# Altium PCB 智能马桶综合检测台V1.0.PcbDoc (part 6 of 10)
Units mil, origin at the board's own origin, x right, y up, seen from the top; angles counter-clockwise.
Board outline 8070.87 x 6102.36 mil, 2 copper layers (Top Layer, Bottom Layer); 199 components, 169 nets, 738 pads, 77 vias.
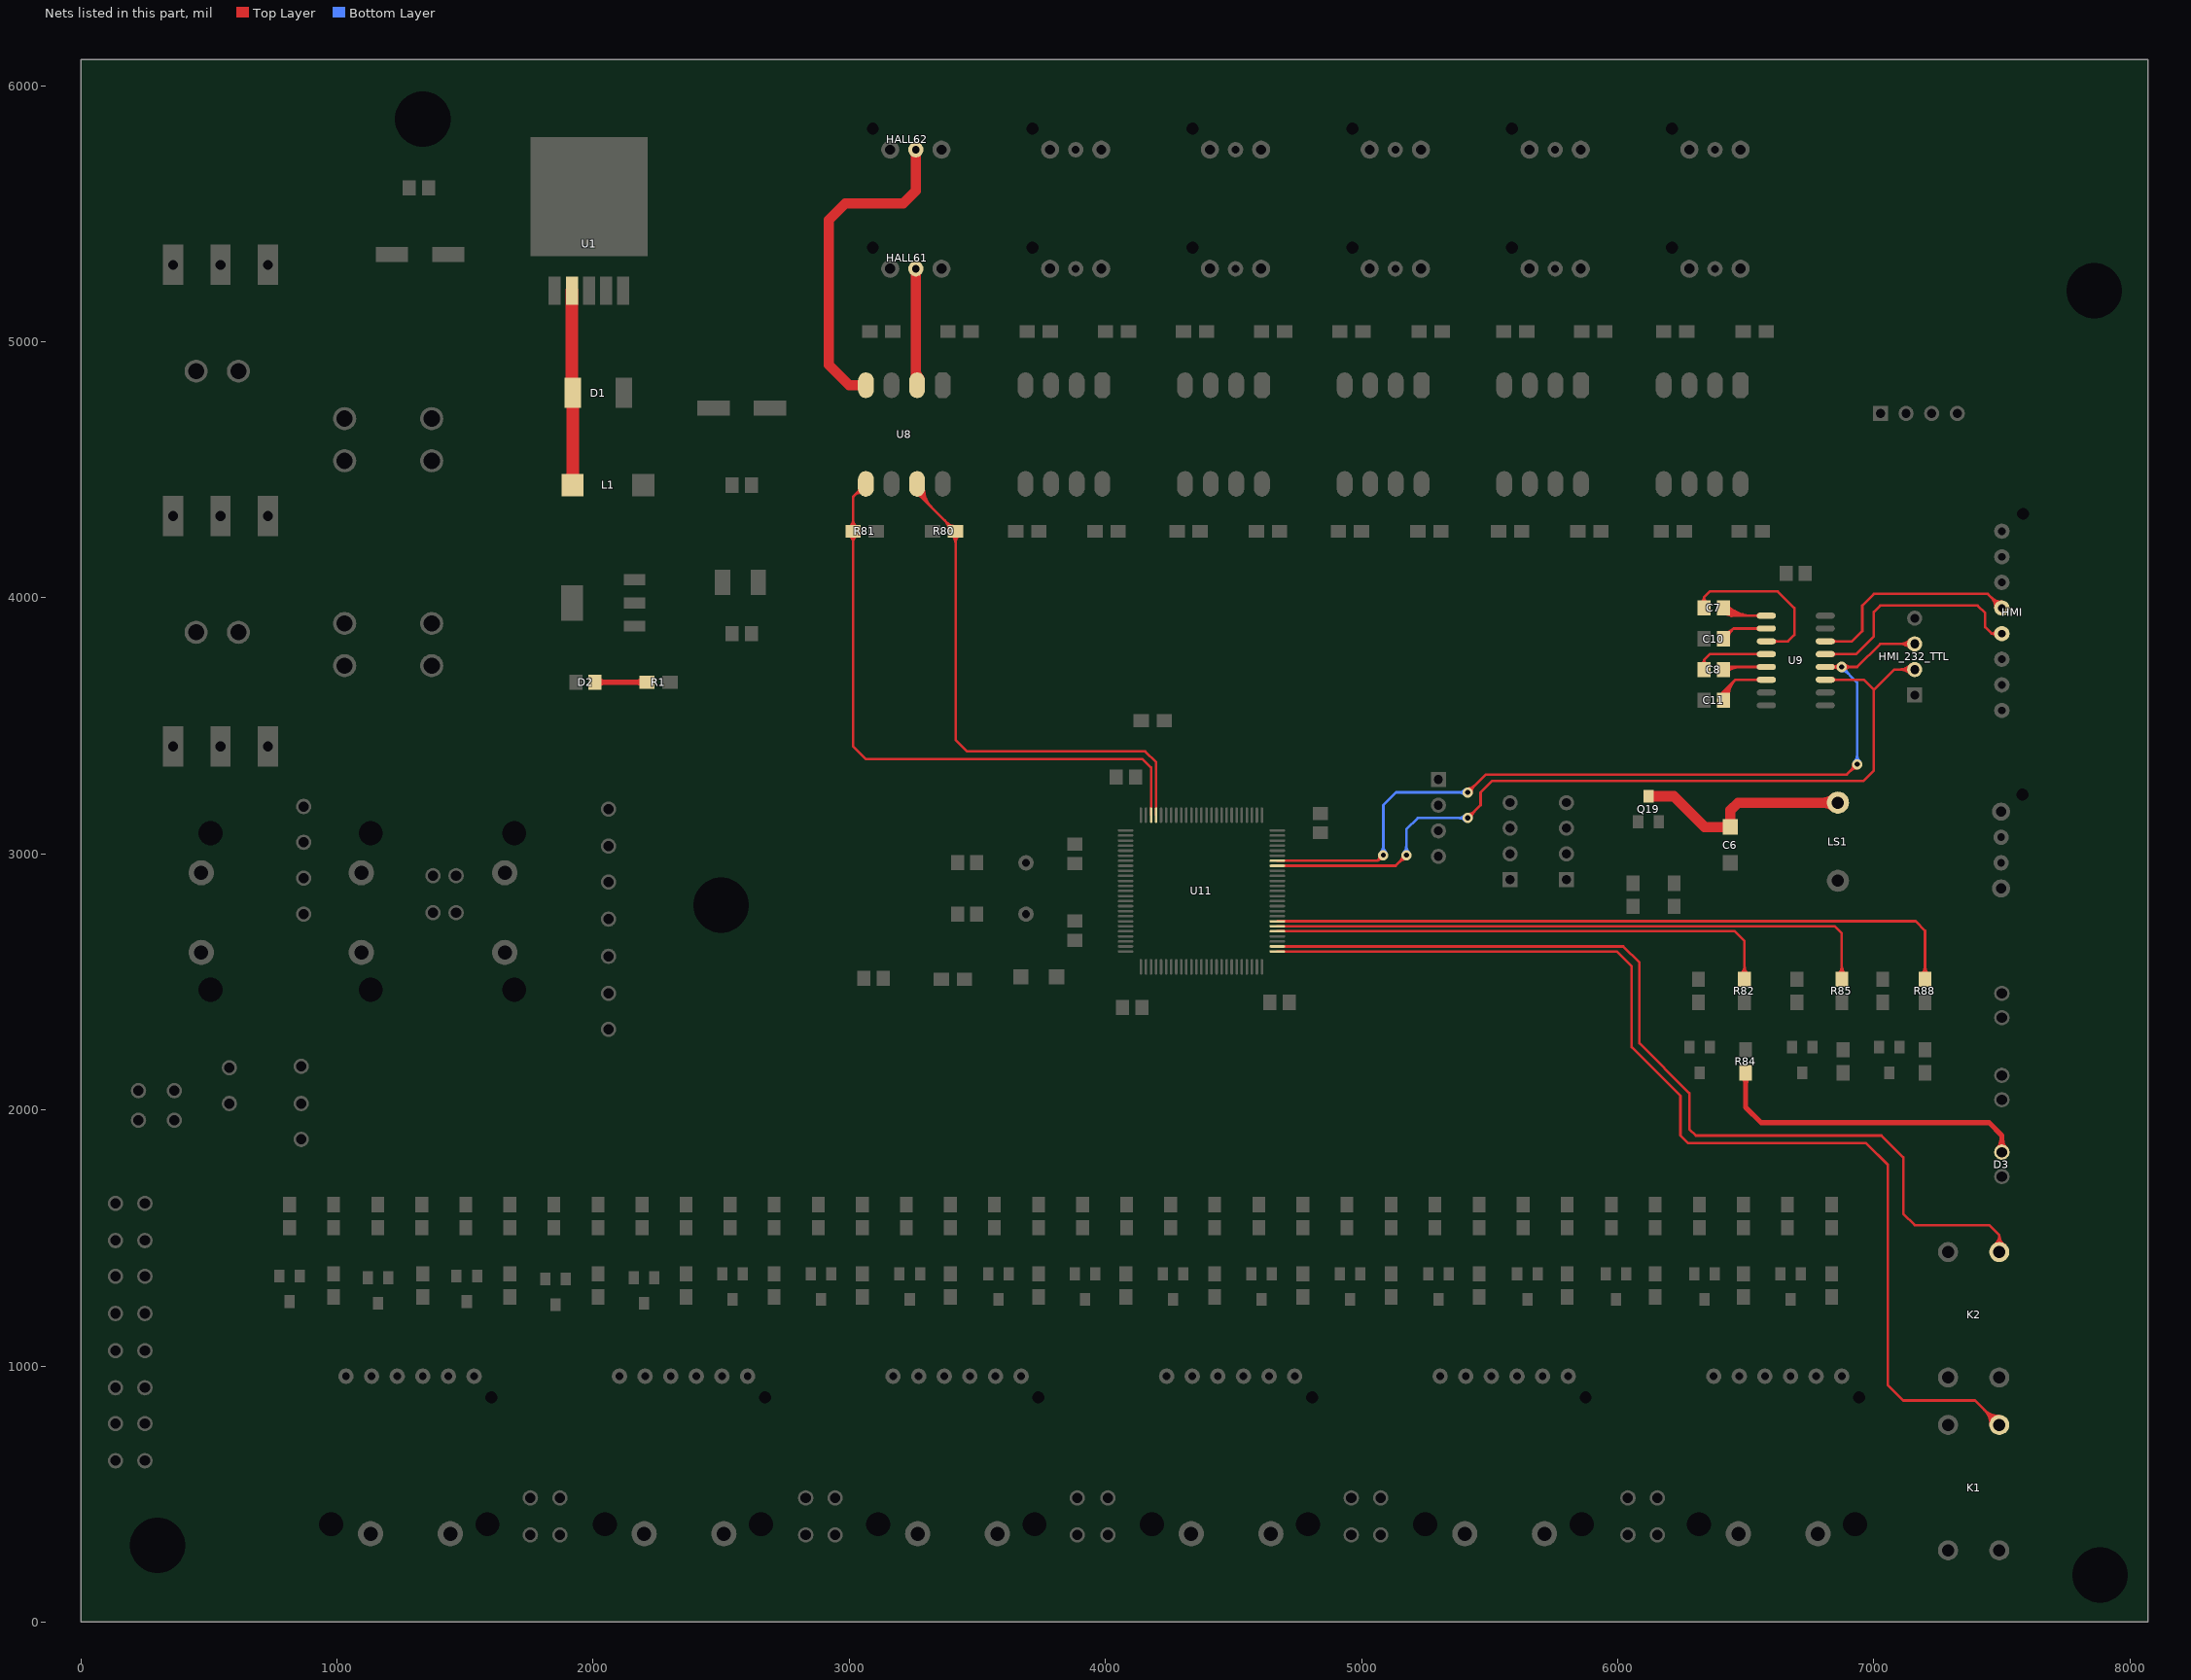
[diagram p6: the nets of this part, all layers, seen from the top]

## Via types
v1: diameter 40, hole 20, Top Layer to Bottom Layer, 68 vias
v2: diameter 50, hole 25, Top Layer to Bottom Layer, 9 vias

## Nets (pads, with @x,y where several pads share a name; then routed paths per layer and width w, separated by ;. In a path a pad name is that pad's centre, name@x,y a point inside that pad or via, vN(x,y) a via of type N, cw(c..) or ccw(c..) an arc to the next point about the centre after c; other vN are vias at no path point) (continued)
HALL_61: R80.2 U8.7 U11.97 | length 4165.4
  Top Layer w10: U8.7@3265,4445 3265,4410 R80.2@3415,4260 3415,3445 3460,3400 4155,3400 4197.83,3357.17 U11.97@4197.83,3151.26 ; U8.7@3265,4400 cw(c3265,4375.86) 3282.07,4392.93 ; U8.7@3265,4400 cw(c3265,4375.86) 3282.07,4392.93 ; U8.7@3265,4400 cw(c3265,4375.86) 3282.07,4392.93 ; U8.7@3265,4400 cw(c3265,4375.86) 3282.07,4392.93 ; U8.7@3265,4400 cw(c3265,4375.86) 3282.07,4392.93 ; U8.7@3265,4400 cw(c3265,4375.86) 3282.07,4392.93 ; U8.7@3271,4426 ccw(c3324.11,4426) 3286.56,4388.44 ; U8.7@3271,4426 ccw(c3324.11,4426) 3286.56,4388.44 ; U8.7@3271,4426 ccw(c3324.11,4426) 3286.56,4388.44 ; U8.7@3271,4426 ccw(c3324.11,4426) 3286.56,4388.44 ; U8.7@3271,4426 ccw(c3324.11,4426) 3286.56,4388.44 ; U8.7@3271,4426 ccw(c3324.11,4426) 3286.56,4388.44 ; U8.7@3281,4426 ccw(c3358.25,4426) 3303.63,4371.37 ; U8.7@3281,4426 ccw(c3358.25,4426) 3303.63,4371.37 ; U8.7@3281,4426 ccw(c3358.25,4426) 3303.63,4371.37 ; U8.7@3281,4426 ccw(c3358.25,4426) 3303.63,4371.37 ; U8.7@3281,4426 ccw(c3358.25,4426) 3303.63,4371.37 ; U8.7@3281,4426 ccw(c3358.25,4426) 3303.63,4371.37 ; U8.7@3291,4426 ccw(c3392.4,4426) 3320.7,4354.3 ; U8.7@3291,4426 ccw(c3392.4,4426) 3320.7,4354.3 ; U8.7@3291,4426 ccw(c3392.4,4426) 3320.7,4354.3 ; U8.7@3291,4426 ccw(c3392.4,4426) 3320.7,4354.3 ; U8.7@3291,4426 ccw(c3392.4,4426) 3320.7,4354.3 ; U8.7@3291,4426 ccw(c3392.4,4426) 3320.7,4354.3 ; 3372.32,4302.68 cw(c3329.64,4260) R80.2@3390,4260 ; 3372.32,4302.68 cw(c3329.64,4260) R80.2@3390,4260 ; 3372.32,4302.68 cw(c3329.64,4260) R80.2@3390,4260 ; 3372.32,4302.68 cw(c3329.64,4260) R80.2@3390,4260 ; 3384.39,4290.61 ccw(c3410,4316.21) R80.2@3410,4280 ; 3384.39,4290.61 ccw(c3410,4316.21) R80.2@3410,4280 ; 3384.39,4290.61 ccw(c3410,4316.21) R80.2@3410,4280 ; 3384.39,4290.61 ccw(c3410,4316.21) R80.2@3410,4280 ; 3389.39,4285.61 cw(c3363.79,4260) R80.2@3400,4260 ; 3389.39,4285.61 cw(c3363.79,4260) R80.2@3400,4260 ; 3389.39,4285.61 cw(c3363.79,4260) R80.2@3400,4260 ; 3389.39,4285.61 cw(c3363.79,4260) R80.2@3400,4260 ; R80.2@3400.86,4245.86 cw(c3366.72,4211.72) 3415,4211.72 ; R80.2@3400.86,4245.86 cw(c3366.72,4211.72) 3415,4211.72 ; R80.2@3400.86,4245.86 cw(c3366.72,4211.72) 3415,4211.72 ; R80.2@3400.86,4245.86 cw(c3366.72,4211.72) 3415,4211.72 ; R80.2@3400.86,4245.86 cw(c3366.72,4211.72) 3415,4211.72 ; R80.2@3400.86,4245.86 cw(c3366.72,4211.72) 3415,4211.72 ; 3415,4211.72 cw(c3463.28,4211.72) R80.2@3429.14,4245.86 ; 3415,4211.72 cw(c3463.28,4211.72) R80.2@3429.14,4245.86 ; 3415,4211.72 cw(c3463.28,4211.72) R80.2@3429.14,4245.86 ; 3415,4211.72 cw(c3463.28,4211.72) R80.2@3429.14,4245.86 ; 3415,4211.72 cw(c3463.28,4211.72) R80.2@3429.14,4245.86 ; 3415,4211.72 cw(c3463.28,4211.72) R80.2@3429.14,4245.86
HALL_61_IN: HALL61.2 U8.2 | length 662.7
  Top Layer w40: HALL61.2@3260,5285 3260,4835 U8.2@3265,4830 ; 3260,4887.63 ccw(c3303.63,4887.63) U8.2@3272.78,4856.78 ; 3260,4887.63 ccw(c3303.63,4887.63) U8.2@3272.78,4856.78 ; 3260,4887.63 ccw(c3303.63,4887.63) U8.2@3272.78,4856.78 ; 3260,4887.63 ccw(c3303.63,4887.63) U8.2@3272.78,4856.78 ; 3260,4887.63 ccw(c3303.63,4887.63) U8.2@3272.78,4856.78 ; 3260,4887.63 ccw(c3303.63,4887.63) U8.2@3272.78,4856.78
HALL_62: R81.2 U8.5 U11.98 | length 3913.1
  Top Layer w10: U8.5@3065,4445 3015,4395 3015,3420 3065,3370 4145,3370 4178.15,3336.85 U11.98@4178.15,3151.26 ; R81.2@3000.86,4245.86 cw(c2966.72,4211.72) 3015,4211.72 ; R81.2@3000.86,4245.86 cw(c2966.72,4211.72) 3015,4211.72 ; R81.2@3000.86,4245.86 cw(c2966.72,4211.72) 3015,4211.72 ; R81.2@3000.86,4245.86 cw(c2966.72,4211.72) 3015,4211.72 ; R81.2@3000.86,4245.86 cw(c2966.72,4211.72) 3015,4211.72 ; R81.2@3000.86,4245.86 cw(c2966.72,4211.72) 3015,4211.72 ; R81.2@3000.86,4274.14 ccw(c2966.72,4308.28) 3015,4308.28 ; R81.2@3000.86,4274.14 ccw(c2966.72,4308.28) 3015,4308.28 ; R81.2@3000.86,4274.14 ccw(c2966.72,4308.28) 3015,4308.28 ; R81.2@3000.86,4274.14 ccw(c2966.72,4308.28) 3015,4308.28 ; R81.2@3000.86,4274.14 ccw(c2966.72,4308.28) 3015,4308.28 ; R81.2@3000.86,4274.14 ccw(c2966.72,4308.28) 3015,4308.28 ; 3015,4211.72 cw(c3063.28,4211.72) R81.2@3029.14,4245.86 ; 3015,4211.72 cw(c3063.28,4211.72) R81.2@3029.14,4245.86 ; 3015,4211.72 cw(c3063.28,4211.72) R81.2@3029.14,4245.86 ; 3015,4211.72 cw(c3063.28,4211.72) R81.2@3029.14,4245.86 ; 3015,4211.72 cw(c3063.28,4211.72) R81.2@3029.14,4245.86 ; 3015,4211.72 cw(c3063.28,4211.72) R81.2@3029.14,4245.86 ; 3015,4308.28 ccw(c3063.28,4308.28) R81.2@3029.14,4274.14 ; 3015,4308.28 ccw(c3063.28,4308.28) R81.2@3029.14,4274.14 ; 3015,4308.28 ccw(c3063.28,4308.28) R81.2@3029.14,4274.14 ; 3015,4308.28 ccw(c3063.28,4308.28) R81.2@3029.14,4274.14 ; 3015,4308.28 ccw(c3063.28,4308.28) R81.2@3029.14,4274.14 ; 3015,4308.28 ccw(c3063.28,4308.28) R81.2@3029.14,4274.14 ; 3018.18,4398.18 cw(c3050.73,4365.63) U8.5@3061.32,4410.43 ; 3018.18,4398.18 cw(c3050.73,4365.63) U8.5@3061.32,4410.43 ; 3018.18,4398.18 cw(c3050.73,4365.63) U8.5@3061.32,4410.43 ; 3018.18,4398.18 cw(c3050.73,4365.63) U8.5@3061.32,4410.43 ; 3018.18,4398.18 cw(c3050.73,4365.63) U8.5@3061.32,4410.43 ; 3018.18,4398.18 cw(c3050.73,4365.63) U8.5@3061.32,4410.43 ; 3030.86,4410.86 cw(c3055.58,4386.14) U8.5@3063.62,4420.16 ; 3030.86,4410.86 cw(c3055.58,4386.14) U8.5@3063.62,4420.16 ; 3030.86,4410.86 cw(c3055.58,4386.14) U8.5@3063.62,4420.16 ; 3030.86,4410.86 cw(c3055.58,4386.14) U8.5@3063.62,4420.16 ; 3030.86,4410.86 cw(c3055.58,4386.14) U8.5@3063.62,4420.16 ; 3030.86,4410.86 cw(c3055.58,4386.14) U8.5@3063.62,4420.16 ; 3034.05,4414.05 ccw(c3022.1,4426) U8.5@3039,4426 ; 3034.05,4414.05 ccw(c3022.1,4426) U8.5@3039,4426 ; 3034.05,4414.05 ccw(c3022.1,4426) U8.5@3039,4426 ; 3034.05,4414.05 ccw(c3022.1,4426) U8.5@3039,4426 ; 3034.05,4414.05 ccw(c3022.1,4426) U8.5@3039,4426 ; 3034.05,4414.05 ccw(c3022.1,4426) U8.5@3039,4426
HALL_62_IN: HALL62.2 U8.4 | length 1290.8
  Top Layer w40: U8.4@3065,4830 3000,4830 2920,4910 2920,5475 2985,5540 3210,5540 3260,5590 HALL62.2@3260,5750
HMI_232_RX: HMI.4 U9.14 | length 1933.6
  Top Layer w10: U9.14@6789.49,3830 6915,3830 6955,3870 6955,3970 7000,4015 7445,4015 HMI.4@7500,3960 ; U9.14@6825.8,3825.18 cw(c6837.43,3813.56) U9.14@6837.43,3830 ; U9.14@6825.8,3825.18 cw(c6837.43,3813.56) U9.14@6837.43,3830 ; U9.14@6825.8,3825.18 cw(c6837.43,3813.56) U9.14@6837.43,3830 ; U9.14@6825.8,3825.18 cw(c6837.43,3813.56) U9.14@6837.43,3830 ; U9.14@6825.8,3834.82 ccw(c6837.43,3846.44) U9.14@6837.43,3830 ; U9.14@6825.8,3834.82 ccw(c6837.43,3846.44) U9.14@6837.43,3830 ; U9.14@6825.8,3834.82 ccw(c6837.43,3846.44) U9.14@6837.43,3830 ; U9.14@6825.8,3834.82 ccw(c6837.43,3846.44) U9.14@6837.43,3830 ; 6852.66,3830 cw(c6852.66,3846.44) 6841.04,3834.82 ccw(c6852.66,3846.44) 6852.66,3830 ; 6852.66,3830 ccw(c6852.66,3813.56) 6841.04,3825.18 cw(c6852.66,3813.56) 6852.66,3830 ; 7457.32,4002.68 cw(c7414.64,3960) HMI.4@7475,3960 ; 7457.32,4002.68 ccw(c7500,4045.36) HMI.4@7500,3985 ; 7457.32,4002.68 cw(c7414.64,3960) HMI.4@7475,3960 ; 7457.32,4002.68 ccw(c7500,4045.36) HMI.4@7500,3985 ; 7457.32,4002.68 cw(c7414.64,3960) HMI.4@7475,3960 ; 7457.32,4002.68 ccw(c7500,4045.36) HMI.4@7500,3985 ; 7457.32,4002.68 cw(c7414.64,3960) HMI.4@7475,3960 ; 7457.32,4002.68 ccw(c7500,4045.36) HMI.4@7500,3985 ; 7457.32,4002.68 cw(c7414.64,3960) HMI.4@7475,3960 ; 7457.32,4002.68 ccw(c7500,4045.36) HMI.4@7500,3985 ; 7457.32,4002.68 ccw(c7500,4045.36) HMI.4@7500,3985 ; 7457.32,4002.68 cw(c7414.64,3960) HMI.4@7475,3960 ; 7474.39,3985.61 cw(c7448.79,3960) HMI.4@7485,3960 ; 7474.39,3985.61 ccw(c7500,4011.21) HMI.4@7500,3975 ; 7474.39,3985.61 cw(c7448.79,3960) HMI.4@7485,3960 ; 7474.39,3985.61 ccw(c7500,4011.21) HMI.4@7500,3975 ; 7474.39,3985.61 cw(c7448.79,3960) HMI.4@7485,3960 ; 7474.39,3985.61 ccw(c7500,4011.21) HMI.4@7500,3975 ; 7474.39,3985.61 cw(c7448.79,3960) HMI.4@7485,3960 ; 7474.39,3985.61 ccw(c7500,4011.21) HMI.4@7500,3975 ; 7474.39,3985.61 cw(c7448.79,3960) HMI.4@7485,3960 ; 7474.39,3985.61 ccw(c7500,4011.21) HMI.4@7500,3975 ; 7474.39,3985.61 ccw(c7500,4011.21) HMI.4@7500,3975 ; 7474.39,3985.61 cw(c7448.79,3960) HMI.4@7485,3960
HMI_232_TX: HMI.5 U9.13 | length 1339
  Top Layer w10: U9.13@6789.49,3780 6930,3780 7000,3850 7000,3945 7025,3970 7405,3970 7435,3940 7435,3885 7460,3860 ; HMI.5@7500,3860 7460,3860 ; U9.13@6825.8,3775.18 cw(c6837.43,3763.56) U9.13@6837.43,3780 ; U9.13@6825.8,3775.18 cw(c6837.43,3763.56) U9.13@6837.43,3780 ; U9.13@6825.8,3775.18 cw(c6837.43,3763.56) U9.13@6837.43,3780 ; U9.13@6825.8,3775.18 cw(c6837.43,3763.56) U9.13@6837.43,3780 ; U9.13@6825.8,3784.82 ccw(c6837.43,3796.44) U9.13@6837.43,3780 ; U9.13@6825.8,3784.82 ccw(c6837.43,3796.44) U9.13@6837.43,3780 ; U9.13@6825.8,3784.82 ccw(c6837.43,3796.44) U9.13@6837.43,3780 ; U9.13@6825.8,3784.82 ccw(c6837.43,3796.44) U9.13@6837.43,3780 ; 6852.66,3780 cw(c6852.66,3796.44) 6841.04,3784.82 ccw(c6852.66,3796.44) 6852.66,3780 ; 6852.66,3780 ccw(c6852.66,3763.56) 6841.04,3775.18 cw(c6852.66,3763.56) 6852.66,3780 ; 7460,3860 cw(c7460,3840.5) HMI.5@7477.53,3849.05 ; 7460,3860 ccw(c7460,3879.5) HMI.5@7477.53,3870.95 ; 7460,3860 cw(c7460,3840.5) HMI.5@7477.53,3849.05 ; 7460,3860 ccw(c7460,3879.5) HMI.5@7477.53,3870.95 ; 7460,3860 cw(c7460,3840.5) HMI.5@7477.53,3849.05 ; 7460,3860 ccw(c7460,3879.5) HMI.5@7477.53,3870.95 ; 7460,3860 cw(c7460,3840.5) HMI.5@7477.53,3849.05 ; 7460,3860 ccw(c7460,3879.5) HMI.5@7477.53,3870.95 ; 7460,3860 cw(c7460,3840.5) HMI.5@7477.53,3849.05 ; 7460,3860 ccw(c7460,3879.5) HMI.5@7477.53,3870.95 ; 7460,3860 ccw(c7460,3879.5) HMI.5@7477.53,3870.95 ; 7460,3860 cw(c7460,3840.5) HMI.5@7477.53,3849.05
HMI_RX: HMI_232_TTL.3 U9.12 U11.69 | length 7297.2
  Top Layer w10: U11.69@4671.26,2973.11 5063.11,2973.11 ; v1(5085,2995) 5063.11,2973.11 ; v1(5415,3240) 5485,3310 6895,3310 v1(6935,3350) ; U9.12@6789.49,3730 6935,3730 7025,3820 HMI_232_TTL.3@7160,3820 ; 5063.11,2973.11 cw(c5080.39,2955.83) v1@5083.25,2980.1 ; 5063.11,2973.11 ccw(c5045.83,2990.39) v1@5070.1,2993.25 ; 5063.11,2973.11 cw(c5080.39,2955.83) v1@5083.25,2980.1 ; 5063.11,2973.11 ccw(c5045.83,2990.39) v1@5070.1,2993.25 ; 5063.11,2973.11 cw(c5080.39,2955.83) v1@5083.25,2980.1 ; 5063.11,2973.11 ccw(c5045.83,2990.39) v1@5070.1,2993.25 ; 5063.11,2973.11 ccw(c5045.83,2990.39) v1@5070.1,2993.25 ; 5063.11,2973.11 cw(c5080.39,2955.83) v1@5083.25,2980.1 ; v1@5415,3255 ccw(c5415,3291.21) 5440.61,3265.61 ; v1@5415,3255 ccw(c5415,3291.21) 5440.61,3265.61 ; v1@5415,3255 ccw(c5415,3291.21) 5440.61,3265.61 ; v1@5415,3255 ccw(c5415,3291.21) 5440.61,3265.61 ; v1@5415,3255 ccw(c5415,3291.21) 5440.61,3265.61 ; v1@5415,3255 ccw(c5415,3291.21) 5440.61,3265.61 ; v1@5430,3240 cw(c5466.21,3240) 5440.61,3265.61 ; v1@5430,3240 cw(c5466.21,3240) 5440.61,3265.61 ; v1@5430,3240 cw(c5466.21,3240) 5440.61,3265.61 ; v1@5430,3240 cw(c5466.21,3240) 5440.61,3265.61 ; v1@5430,3240 cw(c5466.21,3240) 5440.61,3265.61 ; v1@5430,3240 cw(c5466.21,3240) 5440.61,3265.61 ; U9.12@6825.8,3725.18 cw(c6837.43,3713.56) U9.12@6837.43,3730 ; U9.12@6825.8,3725.18 cw(c6837.43,3713.56) U9.12@6837.43,3730 ; U9.12@6825.8,3725.18 cw(c6837.43,3713.56) U9.12@6837.43,3730 ; U9.12@6825.8,3725.18 cw(c6837.43,3713.56) U9.12@6837.43,3730 ; U9.12@6825.8,3734.82 ccw(c6837.43,3746.44) U9.12@6837.43,3730 ; U9.12@6825.8,3734.82 ccw(c6837.43,3746.44) U9.12@6837.43,3730 ; U9.12@6825.8,3734.82 ccw(c6837.43,3746.44) U9.12@6837.43,3730 ; U9.12@6825.8,3734.82 ccw(c6837.43,3746.44) U9.12@6837.43,3730 ; U9.12@6838.79,3730 cw(c6838.79,3693.79) v1@6864.39,3719.39 ; U9.12@6838.79,3730 ccw(c6838.79,3766.21) v1@6864.39,3740.61 ; U9.12@6838.79,3730 cw(c6838.79,3693.79) v1@6864.39,3719.39 ; U9.12@6838.79,3730 ccw(c6838.79,3766.21) v1@6864.39,3740.61 ; U9.12@6838.79,3730 cw(c6838.79,3693.79) v1@6864.39,3719.39 ; U9.12@6838.79,3730 ccw(c6838.79,3766.21) v1@6864.39,3740.61 ; U9.12@6838.79,3730 cw(c6838.79,3693.79) v1@6864.39,3719.39 ; U9.12@6838.79,3730 ccw(c6838.79,3766.21) v1@6864.39,3740.61 ; U9.12@6838.79,3730 cw(c6838.79,3693.79) v1@6864.39,3719.39 ; U9.12@6838.79,3730 ccw(c6838.79,3766.21) v1@6864.39,3740.61 ; U9.12@6838.79,3730 ccw(c6838.79,3766.21) v1@6864.39,3740.61 ; U9.12@6838.79,3730 cw(c6838.79,3693.79) v1@6864.39,3719.39 ; 6852.66,3730 cw(c6852.66,3746.44) 6841.04,3734.82 ccw(c6852.66,3746.44) 6852.66,3730 ; 6852.66,3730 ccw(c6852.66,3713.56) 6841.04,3725.18 cw(c6852.66,3713.56) 6852.66,3730 ; v1@6885.61,3719.39 cw(c6911.21,3693.79) 6911.21,3730 ; v1@6885.61,3719.39 cw(c6911.21,3693.79) 6911.21,3730 ; v1@6885.61,3719.39 cw(c6911.21,3693.79) 6911.21,3730 ; v1@6885.61,3719.39 cw(c6911.21,3693.79) 6911.21,3730 ; v1@6885.61,3719.39 cw(c6911.21,3693.79) 6911.21,3730 ; v1@6885.61,3719.39 cw(c6911.21,3693.79) 6911.21,3730 ; v1@6885.61,3740.61 ccw(c6911.21,3766.21) 6911.21,3730 ; v1@6885.61,3740.61 ccw(c6911.21,3766.21) 6911.21,3730 ; v1@6885.61,3740.61 ccw(c6911.21,3766.21) 6911.21,3730 ; v1@6885.61,3740.61 ccw(c6911.21,3766.21) 6911.21,3730 ; v1@6885.61,3740.61 ccw(c6911.21,3766.21) 6911.21,3730 ; v1@6885.61,3740.61 ccw(c6911.21,3766.21) 6911.21,3730 ; 6909.39,3324.39 cw(c6935,3298.79) v1@6935,3335 ; 6909.39,3324.39 ccw(c6883.79,3350) v1@6920,3350 ; 6909.39,3324.39 cw(c6935,3298.79) v1@6935,3335 ; 6909.39,3324.39 ccw(c6883.79,3350) v1@6920,3350 ; 6909.39,3324.39 cw(c6935,3298.79) v1@6935,3335 ; 6909.39,3324.39 ccw(c6883.79,3350) v1@6920,3350 ; 6909.39,3324.39 cw(c6935,3298.79) v1@6935,3335 ; 6909.39,3324.39 ccw(c6883.79,3350) v1@6920,3350 ; 6909.39,3324.39 cw(c6935,3298.79) v1@6935,3335 ; 6909.39,3324.39 ccw(c6883.79,3350) v1@6920,3350 ; 6909.39,3324.39 ccw(c6883.79,3350) v1@6920,3350 ; 6909.39,3324.39 cw(c6935,3298.79) v1@6935,3335 ; 7100.79,3820 cw(c7100.79,3760.79) HMI_232_TTL.3@7142.66,3802.66 ; 7100.79,3820 ccw(c7100.79,3879.21) HMI_232_TTL.3@7142.66,3837.34 ; 7100.79,3820 cw(c7100.79,3760.79) HMI_232_TTL.3@7142.66,3802.66 ; 7100.79,3820 ccw(c7100.79,3879.21) HMI_232_TTL.3@7142.66,3837.34 ; 7100.79,3820 cw(c7100.79,3760.79) HMI_232_TTL.3@7142.66,3802.66 ; 7100.79,3820 ccw(c7100.79,3879.21) HMI_232_TTL.3@7142.66,3837.34 ; 7100.79,3820 cw(c7100.79,3760.79) HMI_232_TTL.3@7142.66,3802.66 ; 7100.79,3820 ccw(c7100.79,3879.21) HMI_232_TTL.3@7142.66,3837.34 ; 7100.79,3820 cw(c7100.79,3760.79) HMI_232_TTL.3@7142.66,3802.66 ; 7100.79,3820 ccw(c7100.79,3879.21) HMI_232_TTL.3@7142.66,3837.34 ; 7100.79,3820 ccw(c7100.79,3879.21) HMI_232_TTL.3@7142.66,3837.34 ; 7100.79,3820 cw(c7100.79,3760.79) HMI_232_TTL.3@7142.66,3802.66 ; 7124.93,3820 cw(c7124.93,3784.93) HMI_232_TTL.3@7149.73,3809.73 ; 7124.93,3820 ccw(c7124.93,3855.07) HMI_232_TTL.3@7149.73,3830.27 ; 7124.93,3820 cw(c7124.93,3784.93) HMI_232_TTL.3@7149.73,3809.73 ; 7124.93,3820 ccw(c7124.93,3855.07) HMI_232_TTL.3@7149.73,3830.27 ; 7124.93,3820 cw(c7124.93,3784.93) HMI_232_TTL.3@7149.73,3809.73 ; 7124.93,3820 ccw(c7124.93,3855.07) HMI_232_TTL.3@7149.73,3830.27 ; 7124.93,3820 cw(c7124.93,3784.93) HMI_232_TTL.3@7149.73,3809.73 ; 7124.93,3820 ccw(c7124.93,3855.07) HMI_232_TTL.3@7149.73,3830.27 ; 7124.93,3820 cw(c7124.93,3784.93) HMI_232_TTL.3@7149.73,3809.73 ; 7124.93,3820 ccw(c7124.93,3855.07) HMI_232_TTL.3@7149.73,3830.27 ; 7124.93,3820 ccw(c7124.93,3855.07) HMI_232_TTL.3@7149.73,3830.27 ; 7124.93,3820 cw(c7124.93,3784.93) HMI_232_TTL.3@7149.73,3809.73
  Bottom Layer w10: v1(5085,2995) 5085,3190 5135,3240 v1(5415,3240) ; v1(6875,3730) 6935,3670 v1(6935,3350) ; v1@5074.39,3005.61 ccw(c5048.79,3031.21) 5085,3031.21 ; v1@5074.39,3005.61 ccw(c5048.79,3031.21) 5085,3031.21 ; v1@5074.39,3005.61 ccw(c5048.79,3031.21) 5085,3031.21 ; v1@5074.39,3005.61 ccw(c5048.79,3031.21) 5085,3031.21 ; v1@5074.39,3005.61 ccw(c5048.79,3031.21) 5085,3031.21 ; v1@5074.39,3005.61 ccw(c5048.79,3031.21) 5085,3031.21 ; 5085,3031.21 ccw(c5121.21,3031.21) v1@5095.61,3005.61 ; 5085,3031.21 ccw(c5121.21,3031.21) v1@5095.61,3005.61 ; 5085,3031.21 ccw(c5121.21,3031.21) v1@5095.61,3005.61 ; 5085,3031.21 ccw(c5121.21,3031.21) v1@5095.61,3005.61 ; 5085,3031.21 ccw(c5121.21,3031.21) v1@5095.61,3005.61 ; 5085,3031.21 ccw(c5121.21,3031.21) v1@5095.61,3005.61 ; 5378.79,3240 cw(c5378.79,3203.79) v1@5404.39,3229.39 ; 5378.79,3240 ccw(c5378.79,3276.21) v1@5404.39,3250.61 ; 5378.79,3240 cw(c5378.79,3203.79) v1@5404.39,3229.39 ; 5378.79,3240 ccw(c5378.79,3276.21) v1@5404.39,3250.61 ; 5378.79,3240 cw(c5378.79,3203.79) v1@5404.39,3229.39 ; 5378.79,3240 ccw(c5378.79,3276.21) v1@5404.39,3250.61 ; 5378.79,3240 cw(c5378.79,3203.79) v1@5404.39,3229.39 ; 5378.79,3240 ccw(c5378.79,3276.21) v1@5404.39,3250.61 ; 5378.79,3240 cw(c5378.79,3203.79) v1@5404.39,3229.39 ; 5378.79,3240 ccw(c5378.79,3276.21) v1@5404.39,3250.61 ; 5378.79,3240 ccw(c5378.79,3276.21) v1@5404.39,3250.61 ; 5378.79,3240 cw(c5378.79,3203.79) v1@5404.39,3229.39 ; v1@6875,3715 cw(c6875,3678.79) 6900.61,3704.39 ; v1@6875,3715 cw(c6875,3678.79) 6900.61,3704.39 ; v1@6875,3715 cw(c6875,3678.79) 6900.61,3704.39 ; v1@6875,3715 cw(c6875,3678.79) 6900.61,3704.39 ; v1@6875,3715 cw(c6875,3678.79) 6900.61,3704.39 ; v1@6875,3715 cw(c6875,3678.79) 6900.61,3704.39 ; v1@6890,3730 ccw(c6926.21,3730) 6900.61,3704.39 ; v1@6890,3730 ccw(c6926.21,3730) 6900.61,3704.39 ; v1@6890,3730 ccw(c6926.21,3730) 6900.61,3704.39 ; v1@6890,3730 ccw(c6926.21,3730) 6900.61,3704.39 ; v1@6890,3730 ccw(c6926.21,3730) 6900.61,3704.39 ; v1@6890,3730 ccw(c6926.21,3730) 6900.61,3704.39 ; v1@6924.39,3360.61 ccw(c6898.79,3386.21) 6935,3386.21 ; v1@6924.39,3360.61 ccw(c6898.79,3386.21) 6935,3386.21 ; v1@6924.39,3360.61 ccw(c6898.79,3386.21) 6935,3386.21 ; v1@6924.39,3360.61 ccw(c6898.79,3386.21) 6935,3386.21 ; v1@6924.39,3360.61 ccw(c6898.79,3386.21) 6935,3386.21 ; v1@6924.39,3360.61 ccw(c6898.79,3386.21) 6935,3386.21 ; 6935,3386.21 ccw(c6971.21,3386.21) v1@6945.61,3360.61 ; 6935,3386.21 ccw(c6971.21,3386.21) v1@6945.61,3360.61 ; 6935,3386.21 ccw(c6971.21,3386.21) v1@6945.61,3360.61 ; 6935,3386.21 ccw(c6971.21,3386.21) v1@6945.61,3360.61 ; 6935,3386.21 ccw(c6971.21,3386.21) v1@6945.61,3360.61 ; 6935,3386.21 ccw(c6971.21,3386.21) v1@6945.61,3360.61
HMI_TX: HMI_232_TTL.2 U9.11 U11.68 | length 5729.6
  Top Layer w10: U11.68@4671.26,2953.43 5133.43,2953.43 v1(5175,2995) ; v1(5415,3140) 5465,3190 5465,3240 5510,3285 6960,3285 7000,3325 7000,3640 ; U9.11@6789.49,3680 6960,3680 7000,3640 ; HMI_232_TTL.2@7160,3720 7080,3720 7000,3640 ; 5149.39,2969.39 cw(c5175,2943.79) v1@5175,2980 ; 5149.39,2969.39 ccw(c5123.79,2995) v1@5160,2995 ; 5149.39,2969.39 cw(c5175,2943.79) v1@5175,2980 ; 5149.39,2969.39 ccw(c5123.79,2995) v1@5160,2995 ; 5149.39,2969.39 cw(c5175,2943.79) v1@5175,2980 ; 5149.39,2969.39 ccw(c5123.79,2995) v1@5160,2995 ; 5149.39,2969.39 cw(c5175,2943.79) v1@5175,2980 ; 5149.39,2969.39 ccw(c5123.79,2995) v1@5160,2995 ; 5149.39,2969.39 cw(c5175,2943.79) v1@5175,2980 ; 5149.39,2969.39 ccw(c5123.79,2995) v1@5160,2995 ; 5149.39,2969.39 ccw(c5123.79,2995) v1@5160,2995 ; 5149.39,2969.39 cw(c5175,2943.79) v1@5175,2980 ; v1@5415,3155 ccw(c5415,3191.21) 5440.61,3165.61 ; v1@5415,3155 ccw(c5415,3191.21) 5440.61,3165.61 ; v1@5415,3155 ccw(c5415,3191.21) 5440.61,3165.61 ; v1@5415,3155 ccw(c5415,3191.21) 5440.61,3165.61 ; v1@5415,3155 ccw(c5415,3191.21) 5440.61,3165.61 ; v1@5415,3155 ccw(c5415,3191.21) 5440.61,3165.61 ; v1@5430,3140 cw(c5466.21,3140) 5440.61,3165.61 ; v1@5430,3140 cw(c5466.21,3140) 5440.61,3165.61 ; v1@5430,3140 cw(c5466.21,3140) 5440.61,3165.61 ; v1@5430,3140 cw(c5466.21,3140) 5440.61,3165.61 ; v1@5430,3140 cw(c5466.21,3140) 5440.61,3165.61 ; v1@5430,3140 cw(c5466.21,3140) 5440.61,3165.61 ; U9.11@6825.8,3675.18 cw(c6837.43,3663.56) U9.11@6837.43,3680 ; U9.11@6825.8,3675.18 cw(c6837.43,3663.56) U9.11@6837.43,3680 ; U9.11@6825.8,3675.18 cw(c6837.43,3663.56) U9.11@6837.43,3680 ; U9.11@6825.8,3675.18 cw(c6837.43,3663.56) U9.11@6837.43,3680 ; U9.11@6825.8,3684.82 ccw(c6837.43,3696.44) U9.11@6837.43,3680 ; U9.11@6825.8,3684.82 ccw(c6837.43,3696.44) U9.11@6837.43,3680 ; U9.11@6825.8,3684.82 ccw(c6837.43,3696.44) U9.11@6837.43,3680 ; U9.11@6825.8,3684.82 ccw(c6837.43,3696.44) U9.11@6837.43,3680 ; 6852.66,3680 cw(c6852.66,3696.44) 6841.04,3684.82 ccw(c6852.66,3696.44) 6852.66,3680 ; 6852.66,3680 ccw(c6852.66,3663.56) 6841.04,3675.18 cw(c6852.66,3663.56) 6852.66,3680 ; 7100.79,3720 cw(c7100.79,3660.79) HMI_232_TTL.2@7142.66,3702.66 ; 7100.79,3720 ccw(c7100.79,3779.21) HMI_232_TTL.2@7142.66,3737.34 ; 7100.79,3720 cw(c7100.79,3660.79) HMI_232_TTL.2@7142.66,3702.66 ; 7100.79,3720 ccw(c7100.79,3779.21) HMI_232_TTL.2@7142.66,3737.34 ; 7100.79,3720 cw(c7100.79,3660.79) HMI_232_TTL.2@7142.66,3702.66 ; 7100.79,3720 ccw(c7100.79,3779.21) HMI_232_TTL.2@7142.66,3737.34 ; 7100.79,3720 cw(c7100.79,3660.79) HMI_232_TTL.2@7142.66,3702.66 ; 7100.79,3720 ccw(c7100.79,3779.21) HMI_232_TTL.2@7142.66,3737.34 ; 7100.79,3720 cw(c7100.79,3660.79) HMI_232_TTL.2@7142.66,3702.66 ; 7100.79,3720 ccw(c7100.79,3779.21) HMI_232_TTL.2@7142.66,3737.34 ; 7100.79,3720 ccw(c7100.79,3779.21) HMI_232_TTL.2@7142.66,3737.34 ; 7100.79,3720 cw(c7100.79,3660.79) HMI_232_TTL.2@7142.66,3702.66 ; 7124.93,3720 cw(c7124.93,3684.93) HMI_232_TTL.2@7149.73,3709.73 ; 7124.93,3720 ccw(c7124.93,3755.07) HMI_232_TTL.2@7149.73,3730.27 ; 7124.93,3720 cw(c7124.93,3684.93) HMI_232_TTL.2@7149.73,3709.73 ; 7124.93,3720 ccw(c7124.93,3755.07) HMI_232_TTL.2@7149.73,3730.27 ; 7124.93,3720 cw(c7124.93,3684.93) HMI_232_TTL.2@7149.73,3709.73 ; 7124.93,3720 ccw(c7124.93,3755.07) HMI_232_TTL.2@7149.73,3730.27 ; 7124.93,3720 cw(c7124.93,3684.93) HMI_232_TTL.2@7149.73,3709.73 ; 7124.93,3720 ccw(c7124.93,3755.07) HMI_232_TTL.2@7149.73,3730.27 ; 7124.93,3720 cw(c7124.93,3684.93) HMI_232_TTL.2@7149.73,3709.73 ; 7124.93,3720 ccw(c7124.93,3755.07) HMI_232_TTL.2@7149.73,3730.27 ; 7124.93,3720 ccw(c7124.93,3755.07) HMI_232_TTL.2@7149.73,3730.27 ; 7124.93,3720 cw(c7124.93,3684.93) HMI_232_TTL.2@7149.73,3709.73